# Altium PCB ESP12Fuint.PcbDoc
Units mm, origin at the board's own origin, x right, y up, seen from the top; angles counter-clockwise.
Board outline 93 x 93 mm, 2 copper layers (Top Layer, Bottom Layer); 97 components, 68 nets, 307 pads, 145 vias.
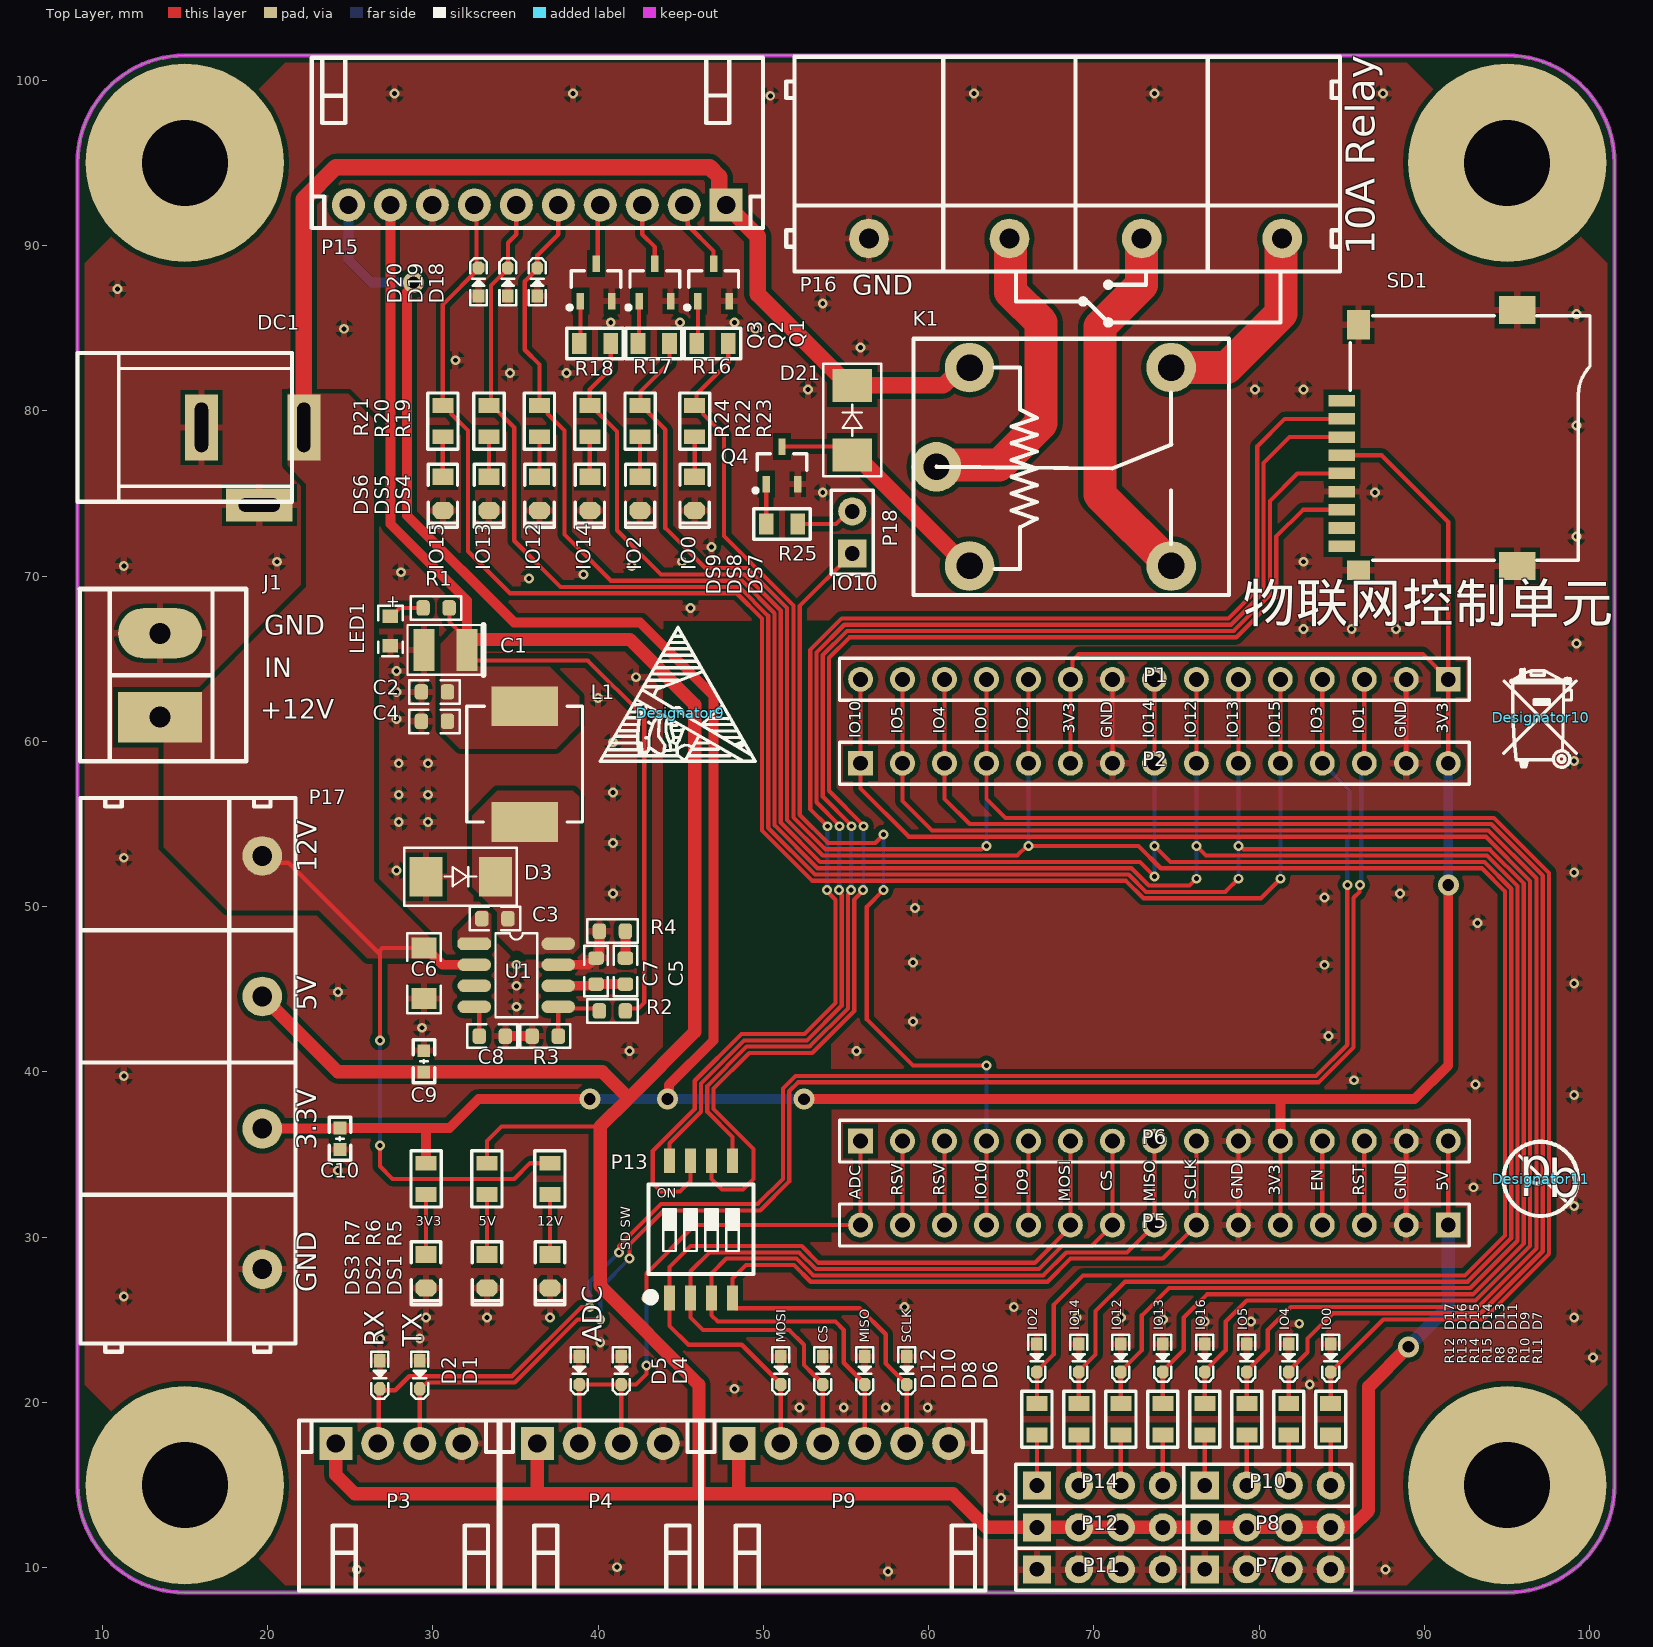
[diagram p0: Top Layer view]
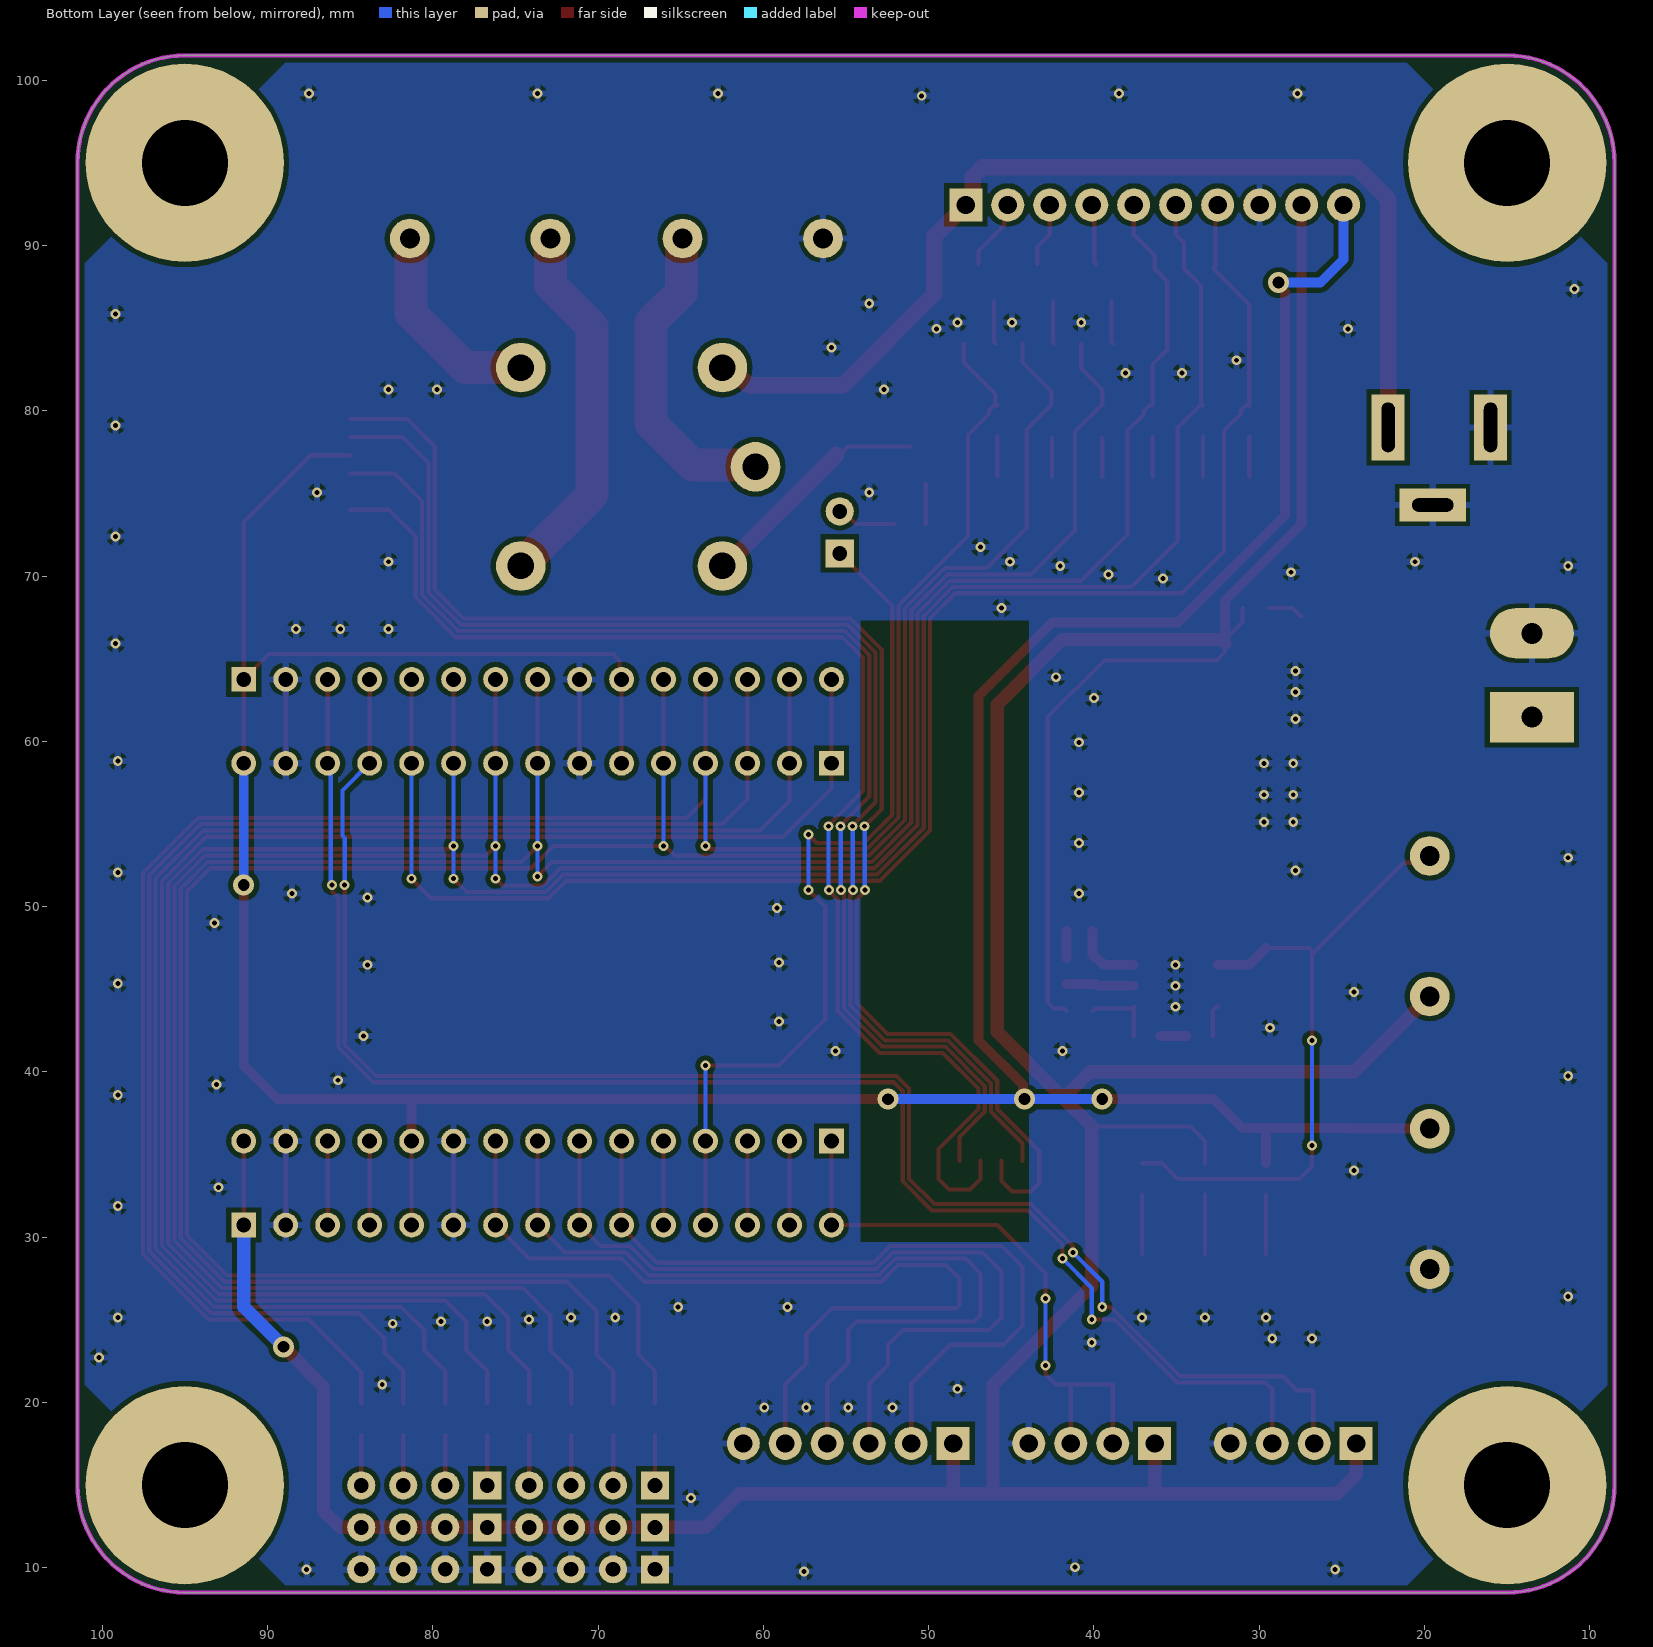
[diagram p1: Bottom Layer view, seen from below]

## Layer stack, top to bottom
Top Solder: solder mask 0.0102, Solder Resist, Dk 3.5
Top Layer: signal copper 0.0356
Dielectric 1: dielectric 0.32, FR-4, Dk 4.8
Bottom Layer: signal copper 0.0356
Bottom Solder: solder mask 0.0102, Solder Resist, Dk 3.5

## Board outline
8.5,15 8.5,95 cw(c15,95) 15,101.5 95,101.5 cw(c95,95) 101.5,95 101.5,15 cw(c95,15) 95,8.5 15,8.5 cw(c15,15)

## Design rules (kind name [scope] priority, off if disabled: settings)
Clearance Clearance_GND [All] p1: gap=0.127 ignorepadtopadclearanceinfootprint=FALSE except(0: Arc-Hole Track-Hole SMDPad-Hole THPad-Hole Via-Hole Fill-Hole Poly-Hole Region-Hole Text-Hole; 0.3: Arc-Fill Arc-Poly Arc-Region Track-Fill Track-Poly Track-Region SMDPad-Fill SMDPad-Poly SMDPad-Region THPad-Fill THPad-Poly THPad-Region Via-Fill Via-Poly Via-Region Fill-Fill Fill-Poly Fill-Region Poly-Poly Poly-Region Region-Region)
Clearance [All] p2: gap=0.127 ignorepadtopadclearanceinfootprint=FALSE except(0: Arc-Hole Track-Hole SMDPad-Hole THPad-Hole Via-Hole Fill-Hole Poly-Hole Region-Hole Text-Hole)
PlaneConnect PlaneConnect_GND [InNet('GND')] p1: pad.planeconnectstyle=Relief pad.reliefexpansion=0.508 pad.reliefentries=4 pad.reliefconductorwidth=0.4 pad.reliefairgap=0.254 via.planeconnectstyle=Direct via.reliefexpansion=0.508 via.reliefentries=4 via.reliefconductorwidth=0.254 via.reliefairgap=0.254
PlaneConnect [All] p2: planeconnectstyle=Relief reliefexpansion=0.508 reliefentries=4 reliefconductorwidth=0.254 reliefairgap=0.254
PolygonConnect PolygonConnect_GND [InNet('GND')] p1: connectstyle=Relief reliefconductorwidth=0.4 reliefentries=4 polygonreliefangle="90 Angle" airgapwidth=0.254
PolygonConnect [All] p2: connectstyle=Direct reliefconductorwidth=0.254 reliefentries=4 polygonreliefangle="90 Angle" airgapwidth=0.254
RoutingVias [All] p1: holewidth=0.3 width=0.6 viastyle="Through Hole" minholewidth=0.3 minwidth=0.6 maxholewidth=100 maxwidth=100
SolderMaskExpansion [All] p1: expansion=0.102 istentingtop=FALSE
Width [All] p1: maxlimit=100 minlimit=0.127 preferedwidth=0.254
29 further rules are at their usual default settings.

## Components (designator, comment, footprint, x,y, rotation, side; value= is the part's Value field where it differs from the comment)
C1 "10uF" 3528 32.064,65.532 r180 top
C2 "4.7uF/16V" 0603C 29.21,62.992 r0 top
C3 "0.1uF" 0603C 32.866,49.276 r0 top
C4 "4.7uF/16V" 0603C 29.21,61.214 r0 top
C5 "1nF" 0603C 41.656,46.99 r270 top
C6 "10uF/25V" 1206 29.464,44.45 r90 top
C7 "47pF" 0603C 39.878,45.212 r90 top
C8 "10nF" 0603C 32.712,42.164 r0 top
C9 "CAP" "C 0603_L" 29.464,40.64 r270 top value=100nF
C10 "CAP" "C 0603_L" 24.384,35.956 r90 top value=100nF
D1 "TVS" SOD-523 29.21,21.678 r270 top
D2 "TVS" SOD-523 26.797,21.678 r270 top
D3 "SS34" DO-214AC-SMA 29.582,51.816 r0 top
D4 "TVS" SOD-523 41.402,21.932 r270 top
D5 "TVS" SOD-523 38.862,21.932 r270 top
D6 "TVS" SOD-523 58.674,21.932 r270 top
D7 "TVS" SOD-523 84.328,22.694 r270 top
D8 "TVS" SOD-523 56.134,21.932 r270 top
D9 "TVS" SOD-523 81.788,22.694 r270 top
D10 "TVS" SOD-523 53.594,21.932 r270 top
D11 "TVS" SOD-523 79.248,22.694 r270 top
D12 "TVS" SOD-523 51.054,21.932 r270 top
D13 "TVS" SOD-523 76.708,22.694 r270 top
D14 "TVS" SOD-523 74.168,22.694 r270 top
D15 "TVS" SOD-523 71.628,22.694 r270 top
D16 "TVS" SOD-523 69.088,22.694 r270 top
D17 "TVS" SOD-523 66.548,22.694 r270 top
D18 "TVS" SOD-523 36.322,87.796 r90 top
D19 "TVS" SOD-523 34.544,87.796 r90 top
D20 "TVS" SOD-523 32.766,87.796 r90 top
D21 "SS34" DO-214AC-SMA 55.38,77.334 r90 top
DC1 "DC" DC-005 16,79 r180 top
Designator9 "Comment" "touch X" 44.958,61.722 r0 top
Designator10 "Comment" "WASH X" 97.028,61.468 r0 top
Designator11 "Comment" "Pb X" 97.028,33.528 r0 top
DS1 "LED" "LED 0805B" 37.084,27.94 r270 top
DS2 "LED" "LED 0805B" 33.274,27.94 r270 top
DS3 "LED" "LED 0805B" 29.591,27.94 r270 top
DS4 "LED" "LED 0805B" 36.449,74.991 r270 top
DS5 "LED" "LED 0805B" 33.401,74.991 r270 top
DS6 "LED" "LED 0805B" 30.607,74.991 r270 top
DS7 "LED" "LED 0805B" 45.847,74.991 r270 top
DS8 "LED" "LED 0805B" 42.545,74.991 r270 top
DS9 "LED" "LED 0805B" 39.497,74.991 r270 top
J1 "CON2" DG1282-5.0 13.5,64 r90 top
K1 "Relay-SPDT" SRD-C_B 62.476,82.612 r0 top
L1 "6.8uH" L100 35.56,62.118 r90 top
LED1 "LED3" 0603-led 27.432,67.564 r270 top
P1 "Header 15" HDR1X15 91.44,63.754 r180 top
P2 "Header 15" HDR1X15 55.88,58.674 r0 top
P3 "USART" KF2EDGK-2.54-WI-4P 27.94,17.526 r0 top
P4 "ADC" KF2EDGK-2.54-WI-4P 40.132,17.526 r0 top
P5 "Header 15" HDR1X15 91.44,30.734 r180 top
P6 "Header 15" HDR1X15 55.88,35.814 r0 top
P7 "Header 4" HDR2.54-LI-4P 80.518,9.906 r0 top
P8 "Header 4" HDR2.54-LI-4P 80.518,12.446 r0 top
P9 "SPI" KF2EDGK-2.54-WI-6P 54.864,17.516 r0 top
P10 "Header 4" HDR2.54-LI-4P 80.518,14.986 r0 top
P11 "Header 4" HDR2.54-LI-4P 70.358,9.906 r0 top
P12 "Header 4" HDR2.54-LI-4P 70.358,12.446 r0 top
P13 "Header 4X2" "CSW1.27 SMD-4P" 46.228,30.48 r0 top
P14 "Header 4" HDR2.54-LI-4P 70.358,14.986 r0 top
P15 "Header 10" KF2EDGK-2.54-WI-10P 36.322,92.456 r180 top
P16 "Header 4" COM4_8 56.388,90.424 r0 top
P17 "Header 4" COM4_8 19.685,28.067 r90 top
P18 "Header 2" HDR2.54-LI-2P 55.38,72.644 r90 top
Q1 "8050" SOT23-3L 46.99,87.775 r0 top
Q2 "8050" SOT23-3L 43.434,87.775 r0 top
Q3 "8050" SOT23-3L 39.878,87.775 r0 top
Q4 "8050" SOT23-3L 51.128,76.708 r0 top
R1 "10K" 0603 29.31,68.072 r0 top
R2 "10.2K" 0603 39.978,43.688 r0 top
R3 "1.91K" 0603 35.914,42.164 r0 top
R4 "29.4K" 0603 39.978,48.514 r0 top
R5 "RES2" "R 0805_L" 37.084,33.528 r90 top value=1K
R6 "RES2" "R 0805_L" 33.274,33.528 r90 top value=1K
R7 "RES2" "R 0805_L" 29.591,33.528 r90 top value=1K
R8 "0805" "R 0805_L" 76.708,18.984 r270 top value=200R
R9 "0805" "R 0805_L" 79.248,18.984 r270 top value=200R
R10 "0805" "R 0805_L" 81.788,18.984 r270 top value=200R
R11 "0805" "R 0805_L" 84.328,18.984 r270 top value=200R
R12 "0805" "R 0805_L" 66.548,18.984 r270 top value=200R
R13 "0805" "R 0805_L" 69.088,18.984 r270 top value=200R
R14 "0805" "R 0805_L" 71.628,18.984 r270 top value=200R
R15 "0805" "R 0805_L" 74.168,18.984 r270 top value=200R
R16 "RES2" "R 0805_L" 46.924,84.074 r0 top value=1K
R17 "RES2" "R 0805_L" 43.368,84.074 r0 top value=1K
R18 "RES2" "R 0805_L" 39.812,84.074 r0 top value=1K
R19 "RES2" "R 0805_L" 36.449,79.375 r90 top value=1K
R20 "RES2" "R 0805_L" 33.401,79.375 r90 top value=1K
R21 "RES2" "R 0805_L" 30.607,79.375 r90 top value=1K
R22 "RES2" "R 0805_L" 45.847,79.375 r90 top value=1K
R23 "RES2" "R 0805_L" 42.545,79.375 r90 top value=1K
R24 "RES2" "R 0805_L" 39.497,79.375 r90 top value=1K
R25 "RES2" "R 0805_L" 51.128,73.152 r0 top value=1K
SD1 "SDCARD-M" SDCARD-M 96.012,78.359 r0 top
U1 "TPS54331" SO08 32.512,47.752 r0 top

## Footprints (in the part's own frame and the unit in brackets; to place one, negate y for a bottom-side part, rotate by r counter-clockwise, add the part's x,y. Pads: shape width x height; smd on the part's side, far side on the other; paste and mask are expansions set on the pad)
0603 [mil]
  rrect50% 32x37 smd: 1(3.94,0) 2(66.06,0)
  silkscreen extent -25,-28 95,28, body extent 4,-16 67,16, height 18
0603-led [mil]
  rect 32x37 smd: 1(0,0) 2(70,0)
  silkscreen extent -25,-29 95,29, body extent 2,-18 68,18, height 35
0603C [mil]
  rrect50% 32x37 smd: 1(3.94,0) 2(66.06,0)
  silkscreen extent -25,-28 95,28, body extent 4,-16 66,15, height 31
1206 [mil]
  rect 50x60 smd: 1(0,0) 2(120,0)
  silkscreen extent -35,-40 155,40, body extent -2,-32 124,31, height 39
3528 [mm]
  rect 1.27x2.54 smd: 1(0,0) 2(2.6,0)
  silkscreen extent -1,-1.5 3.6,1.5
"C 0603_L" [mil] "无极性贴片电容"
  rect 30x30 smd: 1(-25.59,0) 2(25.59,0)
  silkscreen extent -51,-26 51,26, body extent -31,-16 31,16, height 32
COM4_8 [mm]
  round 2.4 hole 1.2: 1(0,0) 2(8.5,0) 3(16.5,0) 4(25,0)
  silkscreen extent -5,-2 28.5,11
"CSW1.27 SMD-4P" [mm] "长：6.68mm，宽：5.4mm，高：2.3mm"
  rect 0.65x1.5 smd: 1(-1.905,-4.15) 2(-0.635,-4.15) 3(0.635,-4.15) 4(1.905,-4.15) 5(1.905,4.15) 6(0.635,4.15) 7(-0.635,4.15) 8(-1.905,4.15)
  silkscreen extent -3.3,-4.35 3.17,2.7, body extent -3.34,-4.35 3.34,4.35, height 2.35
DC-005 [mm] "5.5*2.1mm，DC30V,2.5A"
  rect 2x4 hole 0.8 slot 3 at 90 deg: 1(-6.2,0) 2(0,0)
  rect 4x2 hole 0.8 slot 2.5 at 0 deg: 3(-3.5,4.7)
  silkscreen extent -5.48,-4.5 7.5,4.5, body extent -6.55,-4.5 7.5,4.8, height 11.2
DG1282-5.0 [mil]
  rect 120x200 hole 50: 1(-100,0)
  oval 120x200 hole 50: 2(100,0)
  silkscreen extent -205,-205 205,191, body extent -200,-160 200,160, height 315
DO-214AC-SMA [mm]
  rect 2x2.4 smd: 1(0,0) 2(4.2,0)
  silkscreen extent -1.3,-1.75 5.5,1.75, body extent -0.52,-1.3 4.68,1.3, height 2.4
HDR1X15 [mm] "Connector; Header; 15 Position"
  rect 1.5x1.5 hole 0.9: 1(0,0)
  round 1.5 hole 0.9: 2(2.54,0) 3(5.08,0) 4(7.62,0) 5(10.16,0) 6(12.7,0) 7(15.24,0) 8(17.78,0) 9(20.32,0) 10(22.86,0) 11(25.4,0) 12(27.94,0) 13(30.48,0) 14(33.02,0) 15(35.56,0)
  silkscreen extent -1.27,-1.27 36.83,1.27
HDR2.54-LI-2P [mm] "排针，2脚"
  rect 1.7x1.7 hole 0.9: 1(-1.27,0)
  round 1.7 hole 0.9: 2(1.27,0)
  silkscreen extent -2.54,-1.27 2.54,1.27, body extent -2.54,-1.27 2.54,1.27, height 8.5
HDR2.54-LI-4P [mm] "排针，4脚"
  rect 1.7x1.7 hole 0.9: 1(-3.81,0)
  round 1.7 hole 0.9: 2(-1.27,0) 3(1.27,0) 4(3.81,0)
  silkscreen extent -5.08,-1.27 5.08,1.27, body extent -5.08,-1.27 5.08,1.27, height 8.5
KF2EDGK-2.54-WI-4P [mm] "长：12.06mm，宽：10.1mm，高：8.1mm"
  rect 2x2 hole 1.1: 1(-3.81,0)
  round 2 hole 1.1: 2(-1.27,0) 3(1.27,0) 4(3.81,0)
  silkscreen extent -6.03,-8.9 6.03,1.39, body extent -6.03,-8.9 6.03,1.2, height 8.15
KF2EDGK-2.54-WI-6P [mm] "长：17.1mm，宽：10.1mm，高：8.1mm"
  rect 2x2 hole 1.1: 1(-6.35,0.01)
  round 2 hole 1.1: 2(-3.81,0.01) 3(-1.27,0.01) 4(1.27,0.01) 5(3.81,0.01) 6(6.35,0.01)
  silkscreen extent -8.57,-8.89 8.57,1.4, body extent -8.57,-8.89 8.57,1.21, height 8.15
KF2EDGK-2.54-WI-10P [mm] "长：27.3mm，宽：10.1mm，高：8.1mm"
  rect 2x2 hole 1.1: 1(-11.43,0)
  round 2 hole 1.1: 2(-8.89,0) 3(-6.35,0) 4(-3.81,0) 5(-1.27,0) 6(1.27,0) 7(3.81,0) 8(6.35,0) 9(8.89,0) 10(11.43,0)
  silkscreen extent -13.65,-8.9 13.65,1.4, body extent -13.65,-8.9 13.65,1.2, height 8.15
L100 [mm]
  rect 2.4x4 smd: 1(0,0) 2(-7,0)
  silkscreen extent -7,-3.5 0,3.5, body extent -7.11,-3.49 0.09,3.51, height 4.51
"LED 0805B" [mil] "蓝色0805LED"
  rect 40x50 smd: 1(-40,0)
  oct 40x50 smd: 2(40,0)
  silkscreen extent -70,-35 80,35, body extent -39,-25 39,25, height 32
"Pb X" [mm]
  silkscreen extent -2.25,-2.24 2.25,2.24
"R 0805_L" [mil] "1/8W贴片电阻"
  rect 35x50 smd: 1(-37.4,0) 2(37.4,0)
  silkscreen extent -67,-36 67,36, body extent -39,-25 39,25, height 20
SDCARD-M [mm] "TF卡"
  rect 1.6x0.7 smd: 1(-11.008,2.25) 2(-11.008,1.15) 3(-11.008,0.05) 4(-11.008,-1.05) 5(-11.008,-2.15) 6(-11.008,-3.25) 7(-11.008,-4.35) 8(-11.008,-5.45) 9(-11.008,-6.55)
  rect 1.4x1.2 smd: 10(-10,-8.004)
  rect 2.2x1.7 smd: 11(-0.4,-7.75) 13(-0.4,7.75)
  rect 1.4x1.8 smd: 12(-10,6.85)
  silkscreen extent -10.5,-7.4 4,7.4
SO08 [mil]
  oct 80x30 smd: 1(0,0)
  oval 80x30 smd: 2(0,-50) 3(0,-100) 4(0,-150) 5(200,-150) 6(200,-100) 7(200,-50) 8(200,0)
  silkscreen extent 50,-175 150,25, body extent -21,-171 221,21, height 68
SOD-523 [mm] "1.2x0.8X0.6mm（长宽高，不包括引脚）"
  rect 0.8x0.7 smd: 1(-0.85,0)
  oct 0.8x0.7 smd: 2(0.85,0)
  silkscreen extent -1.4,-0.51 1.45,0.51, body extent -0.8,-0.4 0.8,0.4, height 0.65
SOT23-3L [mm] "3x1.3x1mm(长宽高)"
  rect 0.45x1 smd: 1(-0.95,-1.143) 2(0.95,-1.143) 3(0,1.125)
  silkscreen extent -1.72,-1.65 1.5,0.7, body extent -1.5,-1.2 1.5,1.2, height 1.05
SRD-C_B [mm] "单刀双投"
  round 3 hole 1.6: 1(0,0) 2(0,-12) 3(-2,-6) 4(12.2,0) 5(12.2,-12)
  silkscreen extent -3.4,-13.75 15.7,1.75, body extent -3.4,-13.75 15.7,1.75, height 15.6
"touch X" [mm]
  silkscreen extent -4.83,-2.92 4.55,5.18
"WASH X" [mm]
  silkscreen extent -2.23,-3.04 2.17,2.89

## Part data
C1: library part CAP-+, "Capacitor"
C2 C3 C4 C5 C6 C7 C8: library part CAP1, "Capacitor"
  C3 C5: 类型=电容
D1 D2 D4 D5 D6 D7 D8 D9 D10 D11 D12 D13 D14 D15 D16 D17 D18 D19 D20: library part D, "High Conductance Fast Diode", Code_JEDEC=DO-204-AH, ComponentLink1Description="Manufacturer Link", ComponentLink1URL=http://www.fairchildsemi.com/, ComponentLink2Description=Datasheet, ComponentLink2URL=http://www.fairchildsemi.com/ds/1N%2F1N4148.pdf, DatasheetVersion=1997, LatestRevisionDate=17-Jul-2002, LatestRevisionNote="Re-released for DXP Platform.", PackageDescription="Diode, Axial; Body 3.8 x 1.9 mm (LxDia. max), Lead Dia. 0.53 mm (max)", PackageReference=DO-35, Published=8-Jun-2000, Publisher="Altium Limited"
D3 D21: library part DIOLED_1, "DIODE LED"
K1: "Single-Pole Dual-Throw Relay", LatestRevisionDate=17-Jul-2002, LatestRevisionNote="Re-released for DXP Platform.", PackageReference=MODULE5B, Published=24-Mar-1999, Publisher="Altium Limited"
L1: library part INDUCTOR1_1
LED1: library part CP_DIOLED, "DIODE LED"
P1 P2 P5 P6: "Header, 15-Pin", LatestRevisionDate=17-Jul-2002, LatestRevisionNote="Re-released for DXP Platform.", Publisher="Altium Limited"
P3 P4: library part "Header 4", "Header, 4-Pin", LatestRevisionDate=17-Jul-2002, LatestRevisionNote="Re-released for DXP Platform.", Publisher="Altium Limited"
P7 P8 P10 P11 P12 P14 P16 P17: "Header, 4-Pin", LatestRevisionDate=17-Jul-2002, LatestRevisionNote="Re-released for DXP Platform.", Publisher="Altium Limited"
P9: library part "Header 6", "Header, 6-Pin", LatestRevisionDate=17-Jul-2002, LatestRevisionNote="Re-released for DXP Platform.", Publisher="Altium Limited"
P13: "Header, 4-Pin, Dual row", LatestRevisionDate=17-Jul-2002, LatestRevisionNote="Re-released for DXP Platform.", Publisher="Altium Limited"
P15: "Header, 10-Pin", LatestRevisionDate=17-Jul-2002, LatestRevisionNote="Re-released for DXP Platform.", Publisher="Altium Limited"
P18: "Header, 2-Pin", LatestRevisionDate=17-Jul-2002, LatestRevisionNote="Re-released for DXP Platform.", Publisher="Altium Limited"
Q1 Q2 Q3 Q4: library part "NPN  SOT", "NPN Bipolar Transistor", Code_JEDEC=TO-226-AA, LatestRevisionDate=17-Jul-2002, LatestRevisionNote="Re-released for DXP Platform.", PackageDescription="TO, Flat Index; 3 In-Line, Axial Leads; Body Dia. 4.8mm; Leads 0.55 x 0.51 mm (max)", PackageReference=TO-226-AA, Published=8-Jun-2000, Publisher="Altium Limited"
R1 R2 R3 R4: library part RES2
R5 R6 R7 R16 R17 R18 R19 R20 R21 R22 R23 R24 R25: "Resistor", LatestRevisionDate=17-Jul-2002, LatestRevisionNote="Re-released for DXP Platform.", PackageDescription="Axial Device, Thru-Hole; 2 Leads; 0.3 in Pin Spacing", PackageReference=AXIAL-0.3, Published=8-Jun-2000, Publisher="Altium Limited"
R8 R9 R10 R11 R12 R13 R14 R15: library part RES2, "Resistor", LatestRevisionDate=17-Jul-2002, LatestRevisionNote="Re-released for DXP Platform.", PackageDescription="Axial Device, Thru-Hole; 2 Leads; 0.3 in Pin Spacing", PackageReference=AXIAL-0.3, Published=8-Jun-2000, Publisher="Altium Limited"
SD1: "TF卡槽"

## Free pads (board coordinates)
  round 12 hole 5.2: 0(15,15) 0(15,95) 0(95,15) 0(95,95)

## Via types
v1: diameter 0.6, hole 0.3, Top Layer to Bottom Layer, tented both sides, 139 vias
v2: diameter 1.27, hole 0.711, Top Layer to Bottom Layer, tented both sides, 6 vias

## Nets (pads, with @x,y where several pads share a name; then routed paths per layer and width w, separated by ;. In a path a pad name is that pad's centre, name@x,y a point inside that pad or via, vN(x,y) a via of type N, cw(c..) or ccw(c..) an arc to the next point about the centre after c; other vN are vias at no path point)
3V3: C10.2 P1.1 P1.10 P2.6 P2.15 P5.5 P6.11 P15.10 P17.2 R7.2 SD1.4 | length 224.6
  Top Layer w0.254: P2.6 P1.10 68.695,63.869 68.695,64.885 69.088,65.278 89.916,65.278 P1.1 ; P5.5 P6.11 ; SD1.4 87.41,77.309 91.44,73.279 P1.1 ; P2.15 P1.1
  Top Layer w0.6: P17.2 19.705,36.587 24.364,36.587 C10.2 29.718,36.606 ; v2(28.829,87.757) 28.829,87.576 28.448,87.195 28.448,73.66 34.925,67.183 42.545,67.183 46.99,62.738 46.99,41.91 44.3,39.22 44.3,38.458 v2(44.196,38.354) ; R7.2 29.591,36.479 29.718,36.606 ; v2(39.497,38.354) 32.766,38.354 31.018,36.606 29.718,36.606 ; v2(52.453,38.352) 81.28,38.352 ; P6.11 81.28,38.352 ; v2(91.44,51.308) 91.44,40.386 89.406,38.352 81.28,38.352
  Bottom Layer w0.6: P15.10 24.892,89.154 26.289,87.757 v2(28.829,87.757) ; v2(39.497,38.354) v2@52.452,38.353 ; v2(91.44,51.308) P2.15
ADC: D4.2 D5.2 P4.2 P4.3 P5.15 P6.1 | length 36.8
  Top Layer w0.254: P4.2 D5.2 D4.2 ; P4.3 D4.2 ; v1(42.926,22.225) 42.926,21.717 42.291,21.082 D4.2 ; v1(42.926,26.289) 42.926,27.813 45.847,30.734 P5.15 P6.1
  Bottom Layer w0.254: v1(42.926,22.225) v1(42.926,26.289)
CS: D10.2 P5.9 P6.7 P9.3 P13.2 | length 49.4
  Top Layer w0.254: P9.3 D10.2 53.594,21.132 53.05,21.676 52.451,22.275 52.451,23.495 51.562,24.384 46.355,24.384 45.593,25.146 P13.2 45.593,27.94 46.736,29.083 52.166,29.083 53.182,28.067 66.675,28.067 68.072,29.464 69.85,29.464 P5.9 P6.7
CTRL1: P15.2 Q1.3 | length 4.3
  Top Layer w0.254: P15.2 45.427,92.241 45.427,91.225 46.99,89.662 Q1.3
CTRL2: P15.3 Q2.3 | length 3.9
  Top Layer w0.254: P15.3 42.672,90.678 43.434,89.916 Q2.3
CTRL3: P15.4 Q3.3 | length 3.7
  Top Layer w0.254: Q3.3 39.976,88.998 39.976,92.3 P15.4
EN: P5.4 P6.12 | length 5.1
  Top Layer w0.254: P5.4 P6.12
GND: C1.2 C2.1 C4.1 C6.1 C7.2 C8.2 C9.1 C10.1 D1.1 D2.1 D3.1 D4.1 D5.1 D6.1 D7.1 D8.1 D9.1 D10.1 D11.1 D12.1 D13.1 D14.1 D15.1 D16.1 D17.1 D18.1 D19.1 D20.1 DC1.2 DC1.3 DS1.2 DS2.2 DS3.2 DS4.2 DS5.2 DS6.2 DS7.2 DS8.2 DS9.2 J1.2 LED1.2 P1.2 P1.9 P2.7 P2.14 P3.4 P4.4 P5.2 P5.6 P6.10 P6.14 P7.1 P7.2 P7.3 P7.4 P9.6 P11.1 P11.2 P11.3 P11.4 P15.8 P16.1 P17.1 Q1.2 Q2.2 Q3.2 Q4.2 R3.1 R4.1 SD1.6 SD1.10 SD1.11 SD1.12 SD1.13 U1.7 | length 26.1
  Top Layer w0.254: P2.7 P1.9 ; P5.6 P6.10 ; P5.2 P6.14 ; P2.14 P1.2
  Top Layer w0.6: C8.2 R3.1 ; U1.7 39.407,46.482 39.814,46.89 C7.2 39.941,46.89 40.048,46.996 40.048,47.06 40.078,47.09 R4.1
  other v1: 57.531,9.779 25.4,9.906 87.63,9.906 41.148,10.033 64.389,14.224 52.197,19.685 54.864,19.685 57.404,19.685 59.944,19.685 48.26,20.828 83.058,21.082 100.203,22.733 40.132,23.622 26.797,23.876 29.21,23.876 82.423,24.765 76.708,24.892 79.502,24.892 74.168,25.019 29.591,25.146 33.274,25.146 37.084,25.146 68.961,25.146 71.628,25.146 99.06,25.146 58.547,25.781 65.151,25.781 11.303,26.416 99.06,31.877 92.964,33.02 24.257,34.036 99.06,38.608 93.091,39.243 85.725,39.497 11.303,39.751 41.91,41.275 55.626,41.275 84.201,42.164 29.337,42.672 59.055,43.053 35.052,43.942 24.257,44.831 35.052,45.212 99.06,45.339 35.052,46.482 83.947,46.482 59.055,46.609 93.218,49.022 59.182,49.911 83.947,50.546 40.894,50.8 88.519,50.8 99.06,52.07 27.813,52.197 11.303,52.959 40.894,53.848 27.94,55.118 29.718,55.118 27.94,56.769 29.718,56.769 40.894,56.896 27.94,58.674 29.718,58.674 99.06,58.801 40.894,59.944 27.813,61.341 40.005,62.611 27.813,62.992 42.291,63.881 27.813,64.262 99.187,65.913 82.677,66.802 85.598,66.802 88.265,66.802 45.593,68.072 35.814,69.85 39.116,70.104 28.067,70.231 11.303,70.612 42.037,70.612 20.574,70.866 45.085,70.866 82.677,70.866 46.863,71.755 99.187,72.39 53.594,75.057 86.995,75.057 99.187,79.121 52.705,81.28 79.756,81.28 82.677,81.28 34.671,82.296 38.1,82.296 31.369,83.058 55.88,83.82 24.638,84.963 49.53,84.963 40.767,85.344 44.958,85.344 48.26,85.344 99.187,85.852 53.594,86.487 10.922,87.376 50.419,99.06 27.686,99.187 38.481,99.187 62.738,99.187 73.66,99.187 87.503,99.187
GPIO0: D7.2 P1.12 P2.4 R11.1 R16.2 R22.2 | length 133.9
  Top Layer w0.254: R16.2 47.874,82.926 45.95,81.002 45.95,80.427 R22.2 45.95,80.325 46.038,80.325 46.355,80.007 46.355,79.817 47.625,78.547 47.625,72.417 51.816,68.226 51.816,55.403 53.752,53.467 63.198,53.467 63.406,53.675 v1(63.5,53.675) ; P1.12 P2.4 63.5,56.515 64.643,55.372 94.196,55.372 97.536,52.032 97.536,28.994 93.561,25.019 87.503,25.019 D7.2 R11.1
  Bottom Layer w0.254: v1(63.5,53.675) P2.4
GPIO1_TX: D1.2 P1.3 P2.13 P3.3 | length 95.7
  Top Layer w0.254: P3.3 D1.2 29.261,20.828 29.642,21.209 34.956,21.209 38.766,25.019 v1(40.132,25.019) ; v1(41.91,28.702) 41.91,29.56 43.973,31.623 49.815,31.623 51.562,33.37 51.562,38.831 52.101,39.37 83.597,39.37 85.714,41.487 85.714,50.535 86.069,50.89 86.069,51.271 v1(86.106,51.308) ; P2.13 P1.3
  Bottom Layer w0.254: v1(40.132,25.019) 40.132,26.924 v1(41.91,28.702) ; v1(86.106,51.308) 86.172,51.374 86.172,58.486 P2.13
GPIO2: D17.2 P1.11 P2.5 R12.1 R17.2 R23.2 | length 146.8
  Top Layer w0.254: R17.2 44.318,82.926 42.558,81.166 42.558,80.364 44.069,78.853 44.069,72.898 46.482,70.485 49.018,70.485 51.435,68.068 51.435,55.245 53.594,53.086 65.357,53.086 65.946,53.675 v1(66.04,53.675) 72.69,53.675 74.041,52.324 93.472,52.324 94.869,50.927 94.869,30.099 92.456,27.686 69.342,27.686 67.564,25.908 67.564,22.91 66.548,21.894 D17.2 R12.1 ; P2.5 P1.11
  Bottom Layer w0.254: v1(66.04,53.675) P2.5
GPIO3_RX: D2.2 P1.4 P2.12 P3.2 | length 97.6
  Top Layer w0.254: P3.2 26.733,17.59 26.733,20.677 26.797,20.74 27.725,20.74 28.575,21.59 34.798,21.59 38.989,25.781 v1(39.497,25.781) ; v1(41.275,29.083) 41.275,29.464 43.815,32.004 49.657,32.004 51.181,33.528 51.181,38.989 51.943,39.751 83.439,39.751 85.333,41.645 v1(85.333,51.319) ; P2.12 P1.4
  Bottom Layer w0.254: v1(39.497,25.781) 39.497,27.305 v1(41.275,29.083) ; P2.12 85.46,57.034 85.46,54.287 85.333,54.16 v1(85.333,51.319)
GPIO4: D9.2 P1.13 P2.3 R10.1 | length 88.9
  Top Layer w0.254: P1.13 P2.3 60.96,56.515 62.484,54.991 94.038,54.991 97.155,51.874 97.155,29.152 93.403,25.4 84.455,25.4 82.931,23.876 82.931,23.037 81.788,21.894 D9.2 R10.1
GPIO5: D11.2 P1.14 P2.2 R9.1 | length 93.3
  Top Layer w0.254: P1.14 P2.2 58.42,56.388 60.198,54.61 93.88,54.61 96.774,51.716 96.774,29.31 93.245,25.781 81.915,25.781 80.518,24.384 80.518,23.164 79.248,21.894 D11.2 R9.1
GPIO9: P5.11 P6.5 | length 5.1
  Top Layer w0.254: P5.11 P6.5
GPIO10: P5.12 P6.4 P18.1 | length 52.8
  Top Layer w0.254: P18.1 52.197,68.191 52.197,55.561 53.91,53.848 56.769,53.848 v1(57.277,54.356) ; v1(57.277,51.008) 56.261,49.992 56.261,43.18 59.055,40.386 v1(63.5,40.386) ; P5.12 P6.4
  Bottom Layer w0.254: v1(57.277,51.008) v1(57.277,54.356) ; P6.4 v1(63.5,40.386)
GPIO12: D15.2 D18.2 P1.7 P2.9 P15.5 R14.1 R19.2 | length 161
  Top Layer w0.254: P15.5 37.592,90.678 36.322,89.408 D18.2 36.322,88.596 35.56,87.834 35.56,83.693 36.449,82.804 R19.2 36.64,80.325 36.957,80.007 36.957,79.817 37.973,78.801 37.973,72.517 40.767,69.723 48.703,69.723 50.673,67.753 50.673,54.929 53.278,52.324 72.263,52.324 73.315,51.272 75.783,51.272 v1(76.2,51.689) ; R14.1 D15.2 71.628,21.894 72.898,23.164 72.898,25.273 74.549,26.924 92.772,26.924 95.631,29.783 95.631,51.243 93.788,53.086 78.756,53.086 76.789,53.086 v1(76.2,53.675) ; P2.9 P1.7
  Bottom Layer w0.254: v1(76.2,51.689) v1(76.2,53.675) P2.9
GPIO13: D14.2 D19.2 P1.6 P2.10 P15.6 R15.1 R20.2 | length 162.4
  Top Layer w0.254: P15.6 35.052,90.678 34.544,90.17 D19.2 34.544,88.596 33.528,87.58 33.528,80.452 R20.2 33.528,80.325 33.592,80.325 34.925,78.991 34.925,72.136 37.719,69.342 48.545,69.342 50.292,67.595 50.292,54.772 53.121,51.943 72.105,51.943 73.158,50.891 77.942,50.891 v1(78.74,51.689) ; R15.1 D14.2 74.168,21.894 75.438,23.164 75.438,25.146 76.835,26.543 92.929,26.543 96.012,29.626 96.012,51.4 93.945,53.467 79.042,53.467 78.834,53.675 v1(78.74,53.675) ; P2.10 P1.6
  Bottom Layer w0.254: v1(78.74,51.689) v1(78.74,53.675) P2.10
GPIO14: D16.2 P1.8 P2.8 R13.1 R18.2 R24.2 | length 149.9
  Top Layer w0.254: R18.2 40.762,82.545 39.497,81.28 39.497,80.391 41.148,78.74 41.148,72.771 43.815,70.104 48.86,70.104 51.054,67.91 51.054,55.087 53.436,52.705 72.789,52.705 73.665,51.829 v1(73.665,51.826) ; R13.1 D16.2 69.088,21.894 70.104,22.91 70.104,25.527 71.882,27.305 92.614,27.305 95.25,29.941 95.25,51.085 93.63,52.705 74.63,52.705 v1(73.66,53.675) ; P2.8 P1.8
  Bottom Layer w0.254: P2.8 v1(73.66,53.675) 73.663,53.672 73.663,51.828 v1(73.665,51.826)
GPIO15: D20.2 P1.5 P2.11 P15.7 R21.2 | length 100.6
  Top Layer w0.254: P15.7 32.644,92.324 32.644,88.768 D20.2 32.766,88.596 30.607,86.437 R21.2 30.797,80.325 31.115,80.007 31.115,79.817 32.131,78.801 32.131,71.501 34.671,68.961 48.387,68.961 49.911,67.437 49.911,54.614 52.963,51.562 71.947,51.562 73,50.51 80.101,50.51 v1(81.28,51.689) ; P2.11 P1.5
  Bottom Layer w0.254: v1(81.28,51.689) P2.11
GPIO16: D13.2 P1.15 P2.1 R8.1 | length 97.3
  Top Layer w0.254: P1.15 P2.1 55.88,57.15 58.801,54.229 93.722,54.229 96.393,51.558 96.393,29.468 93.087,26.162 79.248,26.162 77.978,24.892 77.978,23.164 76.708,21.894 D13.2 R8.1
MISO: D8.2 P5.8 P6.8 P9.4 P13.3 | length 52.2
  Top Layer w0.254: P9.4 D8.2 56.134,21.132 54.864,22.402 54.864,24.384 54.356,24.892 47.244,24.892 46.863,25.273 P13.3 46.863,27.813 47.752,28.702 52.008,28.702 53.024,27.686 66.929,27.686 68.326,29.083 72.009,29.083 P5.8 P6.8
MOSI: D12.2 P5.10 P6.6 P9.2 P13.1 | length 46.7
  Top Layer w0.254: P9.2 D12.2 51.054,21.132 48.691,23.495 45.466,23.495 44.323,24.638 P13.1 44.323,28.194 45.593,29.464 52.324,29.464 53.34,28.448 66.421,28.448 68.58,30.607 P6.6
NetC3_1: C3.1 U1.1
NetC3_2: C3.2 D3.2 L1.2 U1.8
NetC5_1: C5.1 R4.2 | length 1.6
  Top Layer w0.6: C5.1 R4.2
NetC5_2: C5.2 C7.1 U1.6 | length 4.1
  Top Layer w0.6: U1.6 39.778,45.212 C7.1 C5.2
NetC8_1: C8.1 U1.4 | length 1.9
  Top Layer w0.254: U1.4 32.577,43.942 32.812,43.707 C8.1
NetD21_1: D21.1 K1.2 Q4.3 | length 14.3
  Top Layer w0.254: Q4.3 54.881,77.833 D21.1 D21.1@55.58,77.334 ; K1.2@62.302,70.612 K1.2
  Top Layer w1: D21.1@55.58,77.334 K1.2@62.302,70.612
NetDS1_1: DS1.1 R5.1 | length 3.6
  Top Layer w0.254: DS1.1 R5.1
NetDS2_1: DS2.1 R6.1 | length 3.6
  Top Layer w0.254: DS2.1 R6.1
NetDS3_1: DS3.1 R7.1 | length 3.6
  Top Layer w0.254: DS3.1 R7.1
NetDS4_1: DS4.1 R19.1 | length 2.4
  Top Layer w0.254: DS4.1 R19.1
NetDS5_1: DS5.1 R20.1 | length 2.4
  Top Layer w0.254: DS5.1 R20.1
NetDS6_1: DS6.1 R21.1 | length 2.4
  Top Layer w0.254: DS6.1 R21.1
NetDS7_1: DS7.1 R22.1 | length 2.4
  Top Layer w0.254: DS7.1 R22.1
NetDS8_1: DS8.1 R23.1 | length 2.4
  Top Layer w0.254: DS8.1 R23.1@42.545,78.359
NetDS9_1: DS9.1 R24.1 | length 2.4
  Top Layer w0.254: DS9.1 R24.1@39.497,78.359
NetK1_3: K1.3 P16.2 | length 19.4
  Top Layer w2: K1.3 60.572,76.708 64.262,76.708 66.802,79.248 66.802,85.344 64.965,87.181 64.965,90.347 P16.2
NetK1_4: K1.4 P16.4 | length 12.6
  Top Layer w2: K1.4 78.04,82.612 81.311,85.883 81.311,90.347 P16.4
NetK1_5: K1.5 P16.3 | length 22.6
  Top Layer w2: P16.3 72.888,87.62 70.358,85.09 70.358,74.93 K1.5
NetLED1_1: LED1.1 R1.1 | length 2.2
  Top Layer w0.254: LED1.1 27.495,67.564 28.003,68.072 R1.1
NetP10_1: P10.1 R8.2 | length 3
  Top Layer w0.254: P10.1 R8.2
NetP10_2: P10.2 R9.2 | length 3
  Top Layer w0.254: P10.2 R9.2
NetP10_3: P10.3 R10.2 | length 3
  Top Layer w0.254: P10.3 R10.2
NetP10_4: P10.4 R11.2 | length 3
  Top Layer w0.254: P10.4 R11.2
NetP14_1: P14.1 R12.2 | length 3
  Top Layer w0.254: P14.1 R12.2
NetP14_2: P14.2 R13.2 | length 3
  Top Layer w0.254: P14.2 R13.2
NetP14_3: P14.3 R14.2 | length 3
  Top Layer w0.254: P14.3 R14.2
NetP14_4: P14.4 R15.2 | length 3
  Top Layer w0.254: P14.4 R15.2
NetP18_2: P18.2 R25.2 | length 3.6
  Top Layer w0.254: R25.2 54.401,73.152 55.163,73.914 P18.2
NetQ1_1: Q1.1 R16.1 | length 2.6
  Top Layer w0.254: R16.1 46.04,84.14 Q1.1
NetQ2_1: Q2.1 R17.1 | length 2.6
  Top Layer w0.254: R17.1 42.484,84.14 Q2.1
NetQ3_1: Q3.1 R18.1 | length 2.6
  Top Layer w0.254: R18.1 38.928,84.14 Q3.1
NetQ4_1: Q4.1 R25.1 | length 2.4
  Top Layer w0.254: R25.1 Q4.1
NetR2_1: R2.1 R3.2 U1.5 | length 4.4
  Top Layer w0.254: R3.2 U1.5 37.689,43.845 39.921,43.845 R2.1
RST: P5.3 P6.13 | length 5.1
  Top Layer w0.254: P5.3 P6.13
RSV: P5.13 P6.3 | length 5.1
  Top Layer w0.254: P5.13 P6.3
RSV1: P5.14 P6.2 | length 5.1
  Top Layer w0.254: P5.14 P6.2
SCLK: D6.2 P5.7 P6.9 P9.5 P13.4 | length 54.1
  Top Layer w0.254: P9.5 D6.2 57.404,22.352 57.404,24.13 55.827,25.707 48.331,25.707 48.133,25.905 P13.4 48.133,27.495 48.959,28.321 51.851,28.321 52.867,27.305 67.183,27.305 68.58,28.702 74.168,28.702 P5.7 P6.9
SDIO_CK: P13.5 SD1.5 | length 77.1
  Top Layer w0.254: P13.5 48.133,36.068 46.609,37.592 46.609,39.147 48.991,41.529 52.801,41.529 55.118,43.846 55.118,50.73 55.302,50.914 v1(55.302,51.008) ; v1(55.337,54.864) 55.337,54.92 53.594,56.663 53.594,65.216 55.053,66.675 78.455,66.675 80.645,68.865 80.645,74.549 82.305,76.209 SD1.5
  Bottom Layer w0.254: v1(55.302,51.008) 55.32,51.025 55.32,54.847 v1(55.337,54.864)
SDIO_CMD: P13.8 SD1.3 | length 79.7
  Top Layer w0.254: P13.8 44.323,35.687 46.228,37.592 46.228,39.305 48.833,41.91 52.643,41.91 54.737,44.004 54.737,50.705 54.639,50.803 54.639,50.942 v1(54.573,51.008) ; v1(54.61,54.864) 54.61,54.92 53.213,56.317 53.213,65.374 54.895,67.056 78.297,67.056 80.264,69.023 80.264,76.835 81.838,78.409 SD1.3
  Bottom Layer w0.254: v1(54.573,51.008) 54.591,51.027 54.591,54.845 v1(54.61,54.864)
SDIO_D0: P13.6 SD1.7 | length 80.4
  Top Layer w0.254: P13.6 46.863,33.528 47.498,32.893 48.768,32.893 49.403,33.528 49.403,35.337 46.99,37.75 46.99,38.989 49.149,41.148 52.959,41.148 55.499,43.688 55.499,50.421 56.039,50.961 v1(56.039,51.008) ; v1(56.064,54.864) 56.064,54.92 53.975,57.009 53.975,65.059 55.21,66.294 78.613,66.294 81.026,68.707 81.026,72.39 82.645,74.009 SD1.7
  Bottom Layer w0.254: v1(56.039,51.008) 56.051,51.021 56.051,54.851 v1(56.064,54.864)
SDIO_D1: SD1.8
SDIO_D2: SD1.1
SDIO_D3: P13.7 SD1.2 | length 86.8
  Top Layer w0.254: P13.7 45.593,33.401 44.958,32.766 43.815,32.766 43.307,33.274 43.307,35.21 45.847,37.75 45.847,39.462 48.676,42.291 52.486,42.291 54.356,44.161 54.356,50.419 53.846,50.929 v1(53.846,51.008) ; v1(53.883,54.864) 52.832,55.915 52.832,65.532 54.737,67.437 78.14,67.437 79.883,69.18 79.883,77.851 81.541,79.509 SD1.2
  Bottom Layer w0.254: v1(53.846,51.008) 53.864,51.027 53.864,54.845 v1(53.883,54.864)
VCC_5V: C1.1 C2.2 C4.2 C9.2 L1.1 P3.1 P4.1 P5.1 P6.15 P8.1 P8.2 P8.3 P8.4 P9.1 P12.1 P12.2 P12.3 P12.4 P15.9 P17.3 R1.2 R2.2 R6.2 | length 260.3
  Top Layer w0.254: R1.2 31.01,68.05 31.01,67.221 32.064,66.167 32.064,65.932 C1.1 32.064,65.405 32.572,64.897 39.37,64.897 42.799,61.468 42.799,44.196 42.443,43.84 41.808,43.84 R2.2 ; R6.2 33.274,35.814 34.163,36.703 40.132,36.703 ; P5.1 P6.15
  Top Layer w0.6: P15.9 27.432,73.152 32.064,68.52 C1.1@32.064,66.167
  Top Layer w0.8: P17.3 24.247,40.005 29.464,40.005 40.259,40.005 41.846,38.417 ; P3.1 24.13,15.621 25.273,14.478 36.322,14.478 ; C1.1@32.064,65.932 32.299,66.167 41.91,66.167 45.847,62.23 45.847,42.418 41.846,38.417 ; P4.1 36.322,14.478 ; P9.1 48.514,14.605 48.387,14.478 ; v2(89.027,23.368) 86.614,20.955 86.614,13.462 85.598,12.446 P8.4 P8.3 P8.2 P8.1 P12.4 P12.3 P12.2 P12.1 63.5,12.446 61.468,14.478 48.387,14.478 ; 36.322,14.478 46.101,14.478 ; 41.846,38.417 40.132,36.703 40.132,27.051 46.101,21.082 46.101,14.478 ; 46.101,14.478 48.387,14.478
  Bottom Layer w0.8: v2(89.027,23.368) 91.44,25.781 P5.1
VCC_PW: C6.2 D21.2 DC1.1 J1.1 K1.1 P15.1 P17.4 R5.2 U1.2 | length 104.5
  Top Layer w0.254: J1.1 J1.1@14.516,61.46 ; P17.4 20.096,52.656 21.258,52.656 26.797,47.117 ; DC1.1 DC1.1@22.2,80 ; v1(26.797,35.56) 26.797,34.29 27.559,33.528 34.925,33.528 35.875,34.478 R5.2 ; v1(26.797,41.91) 26.797,47.117 ; C6.2@29.591,47.498 C6.2 26.946,47.498 26.797,47.349 26.797,47.117 ; D21.2@55.18,81.534 D21.2
  Top Layer w0.6: C6.2@29.591,47.498 29.926,47.163 29.926,47.152 30.596,46.482 U1.2
  Top Layer w1: DC1.1@22.2,80 22.2,92.813 24.129,94.742 46.745,94.742 47.331,94.156 47.331,92.877 49.657,90.551 49.657,87.057 D21.2@55.18,81.534 ; D21.2 60.89,81.534 61.968,82.612 K1.1
  Bottom Layer w0.254: v1(26.797,35.56) v1(26.797,41.91)
pads on no net: SD1.9 U1.3

## Polygon pours and split planes (outlines as drawn)
GND on Top Layer "NONET_L01_P-001" (solid, remove dead copper, pour order 4): 21.473,101.473 8.5,88.5 8.5,21.5 21.5,8.5 88.5,8.5 101.473,21.473 101.473,88.527 88.527,101.473
VCC_PW on Top Layer "NONET_L01_P-001" (solid, pour order 3): 21.209,76.708 22.352,75.565 22.352,69.342 13.716,60.706 13.716,53.594 17.526,49.784 23.114,49.784 26.035,46.863 29.972,46.863 29.972,48.006 26.416,51.562 26.416,79.502 24.892,81.026 21.209,81.026
NetC3_1 on Top Layer "NONET_L01_P-001" (solid, pour order 2): 31.496,48.514 31.496,47.625 33.528,47.625 33.528,49.53 33.274,49.784 32.766,49.784
VCC_5V on Top Layer "NONET_L01_P-001" (solid, pour order 1): 31.369,66.802 30.48,65.913 30.48,60.706 31.623,59.563 37.465,59.563 38.862,60.96 38.862,62.738 37.084,64.516 32.766,64.516 32.258,65.024 32.258,66.802
NetC3_2 on Top Layer "NONET_L01_P-001" (solid, pour order 0): 32.385,55.499 32.385,51.181 33.655,49.911 33.909,49.657 33.909,48.26 35.052,47.117 38.481,47.117 38.862,47.498 38.862,56.642 38.481,57.023 33.909,57.023
GND on Bottom Layer "NONET_L01_P-001" (solid, pour order 5): 21.46,101.466 8.5,88.506 8.5,21.48 21.487,8.493 88.487,8.493 101.46,21.466 101.46,88.52 88.514,101.466

## Keep-outs
Keep-Out Layer:
  the board outline again, w0.254

## Other copper
Top Layer:
  pour cut-out: 43.942,67.31 54.102,67.31 54.102,29.718 43.942,29.718
Bottom Layer:
  pour cut-out: 43.942,67.31 54.102,67.31 54.102,29.718 43.942,29.718

## Silkscreen, mask and mechanical layers (free items; w line width, h text height)
Top Overlay:
  circle w0.2: c70.866,85.344 r0.218
  circle w0.2: c69.342,86.614 r0.218
  circle w0.2: c70.866,87.63 r0.218
  lines w0.254: 65.278,88.392 65.278,86.614 69.342,86.614 69.596,86.614 70.866,85.344 81.28,85.344 81.28,88.392 ; 70.866,87.63 73.152,87.63 73.152,88.392
  text "10A Relay" at 87.561,89.411 h3 r90
  text "GND" at 55.374,86.633 h2
  text "IO15" at 30.974,70.359 h1.5 r90
  text "IO13" at 33.768,70.359 h1.5 r90
  text "IO12" at 36.816,70.359 h1.5 r90
  text "IO14" at 39.864,70.359 h1.5 r90
  text "IO2" at 42.912,70.359 h1.5 r90
  text "IO0" at 46.214,70.359 h1.5 r90
  text "IO10" at 54.103,68.848 h1.5
  text "物联网控制单元" at 78.998,66.444 h4
  text "GND" at 19.814,66.059 h2
  text "IN" at 19.814,63.5 h2
  text "+12V" at 19.56,60.96 h2
  text "IO5" at 58.663,60.453 h1.2 r90
  text "IO4" at 61.203,60.453 h1.2 r90
  text "IO0" at 63.743,60.453 h1.2 r90
  text "IO2" at 66.283,60.453 h1.2 r90
  text "3V3" at 69.077,60.452 h1.2 r90
  text "IO3" at 84.063,60.453 h1.2 r90
  text "IO1" at 86.603,60.453 h1.2 r90
  text "3V3" at 91.683,60.452 h1.2 r90
  text "IO10" at 56.123,60.199 h1.2 r90
  text "GND" at 71.363,60.199 h1.2 r90
  text "IO14" at 73.903,60.199 h1.2 r90
  text "IO12" at 76.443,60.199 h1.2 r90
  text "IO13" at 78.983,60.199 h1.2 r90
  text "IO15" at 81.523,60.199 h1.2 r90
  text "GND" at 89.143,60.199 h1.2 r90
  text "12V" at 23.368,52.072 h2 r90
  text "5V" at 23.349,43.688 h2 r90
  text "3.3V" at 23.349,35.306 h2 r90
  text "CS" at 71.363,32.767 h1.2 r90
  text "EN" at 84.074,32.767 h1.2 r90
  text "5V" at 91.683,32.766 h1.2 r90
  text "RSV" at 58.663,32.513 h1.2 r90
  text "RSV" at 61.203,32.513 h1.2 r90
  text "IO9" at 66.283,32.513 h1.2 r90
  text "3V3" at 81.523,32.512 h1.2 r90
  text "RST" at 86.603,32.513 h1.2 r90
  text "ADC" at 56.123,32.258 h1.2 r90
  text "IO10" at 63.743,32.259 h1.2 r90
  text "SCLK" at 76.443,32.258 h1.2 r90
  text "GND" at 79.237,32.259 h1.2 r90
  text "GND" at 89.143,32.259 h1.2 r90
  text "MOSI" at 68.825,32.141 h1.2 r90
  text "MISO" at 73.953,32.141 h1.2 r90
  text "3V3" at 28.956,30.489 h1
  text "5V" at 32.766,30.489 h1
  text "12V" at 36.323,30.48 h1
  text "SD SW" at 42.155,29.21 h1 r90
  text "GND" at 23.349,26.672 h2 r90
  text "IO2" at 66.793,24.385 h1 r90
  text "IO14" at 69.333,24.385 h1 r90
  text "IO12" at 71.873,24.385 h1 r90
  text "IO13" at 74.413,24.385 h1 r90
  text "IO16" at 76.953,24.385 h1 r90
  text "IO5" at 79.493,24.385 h1 r90
  text "IO4" at 82.033,24.385 h1 r90
  text "IO0" at 84.573,24.385 h1 r90
  text "ADC" at 40.621,23.622 h2 r90
  text "MOSI" at 51.553,23.623 h1 r90
  text "CS" at 54.093,23.623 h1 r90
  text "MISO" at 56.633,23.623 h1 r90
  text "SCLK" at 59.173,23.622 h1 r90
  text "RX" at 27.432,23.37 h2 r90
  text "TX" at 29.718,23.368 h2 r90

## Text inside footprints (layer, text, board x,y; h text height)
Designator11: Top Overlay "p" at 95.725,33.153 h2.3; Top Overlay "b" at 97.45,32.428 h2.3
LED1: Top Overlay "+" at 27.026,68.859 h1.27 r270
P13: Top Overlay "ON" at 43.561,32.176 h1